# KiCad board q2v2.kicad_pcb (continued)
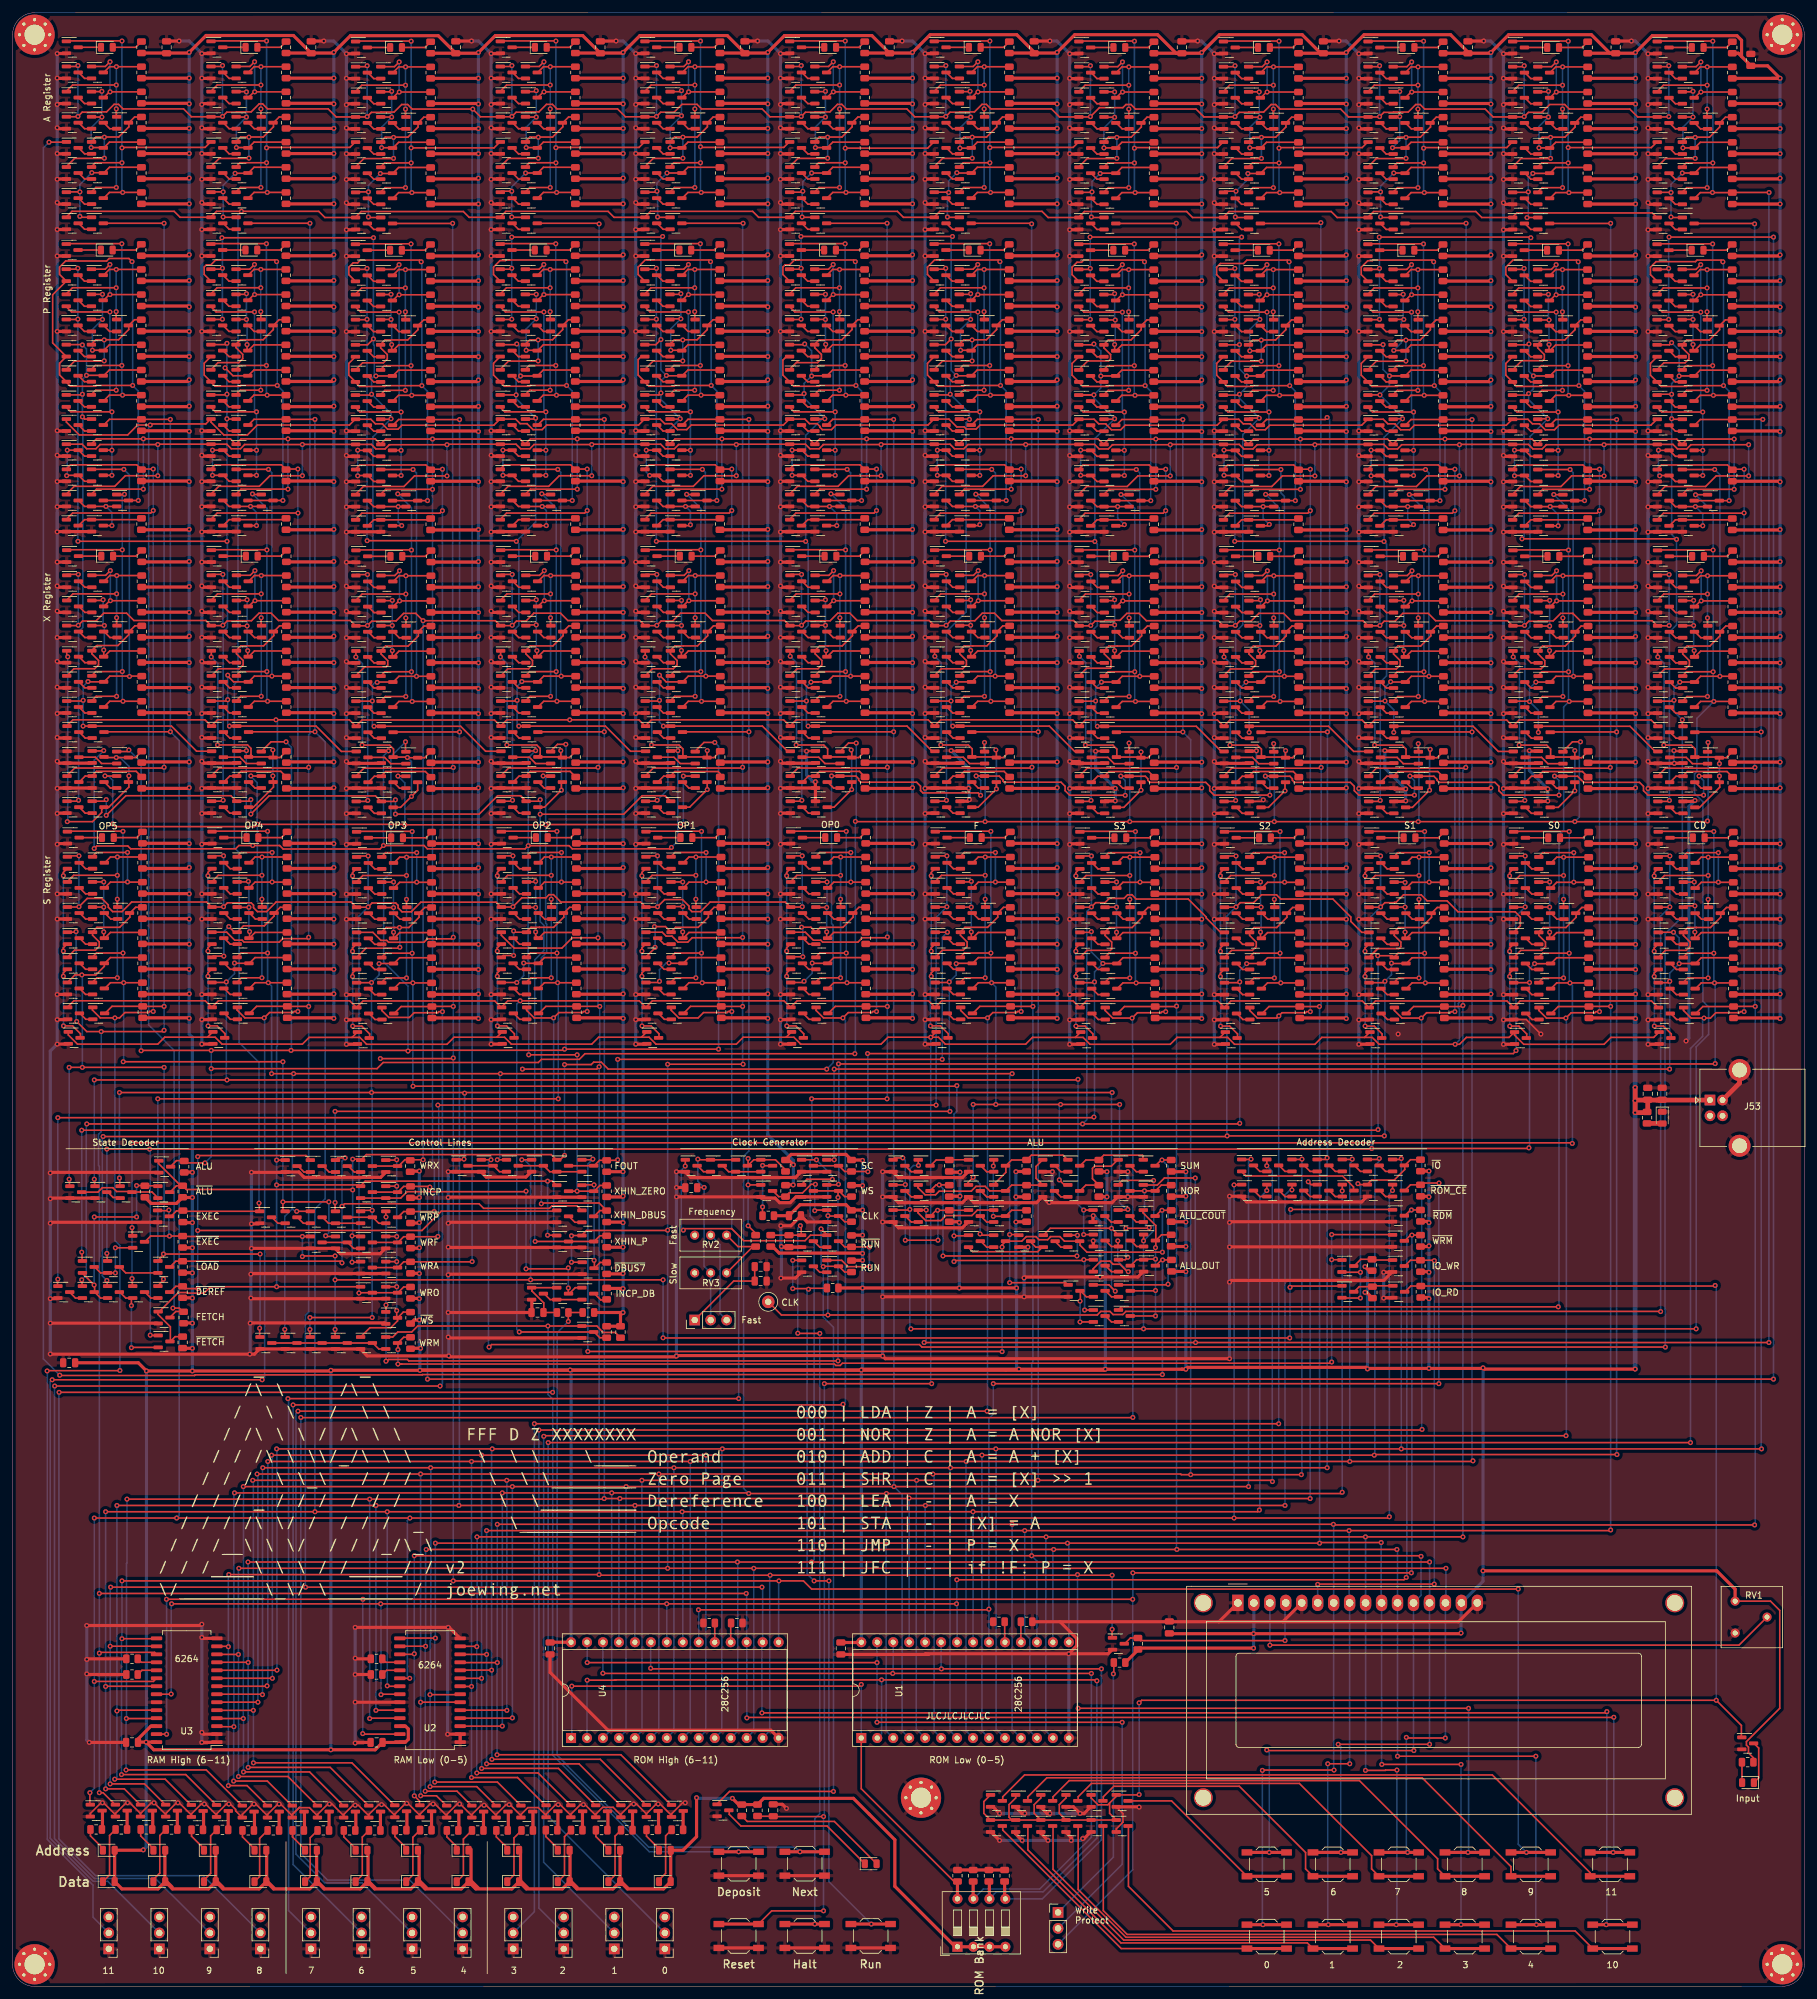
[diagram p0: board, top side]
## Routing (per net, layer and track width the routed paths; a pad name or vN(x,y) marks a point on that pad's centre or on a via; arc(x,y) is an arc through that point) (continued)
DEP: length 330
  Top w0.25: R478.2 93.41,103.21 92.5,104.13 v1(80.6,104.13) ; 8.7,155.78 9.75,156.83 30.65,156.83 31.7,155.78 32.75,156.83 53.62,156.83 54.7,155.75 55.75,156.8 76.7,156.8 77.72,155.77 78.78,156.82 99.68,156.82 100.72,155.77 101.78,156.82 122.7,156.82 123.75,155.77 124.8,156.82 145.7,156.82 146.75,155.77 147.8,156.82 168.68,156.82 169.75,155.75 170.8,156.8 191.7,156.8 192.75,155.75 193.8,156.8 214.7,156.8 215.75,155.75 216.8,156.8 237.7,156.8 238.75,155.75 239.8,156.8 260.7,156.8 261.75,155.75
  Bottom w0.25: v1(80.6,104.13) 80.2,104.53 80.2,156.29 v1(80.74,156.82)
F: length 144.7
  Top w0.25: v1(155.61,164.42) 151.4,164.42 150.71,163.73 ; v1(155.61,183.78) 155.58,183.81 146.79,183.81 ; 152.71,158.78 153.62,159.69 v1(155.72,159.69) R286.2 ; v1(153.9,119.73) 154.1,119.53 Q265.1 ; Q267.1 177.3,123.53 v1(177.4,123.63) ; v1(176.1,140.33) v1(166.7,140.33) v1(156.4,140.33) v1(152.8,140.33) 152.7,140.23 ; v1(152.8,128.73) 152,127.93 152,127.53 ; 167.3,127.53 v1(166.5,128.33)
  Bottom w0.25: v1(155.61,183.78) v1(155.61,164.42) 155.61,159.81 v1(155.72,159.69) 156.4,159.02 v1(156.4,140.33) ; v1(166.7,140.33) 166.5,140.13 v1(166.5,128.33) ; v1(176.1,140.33) 176.07,140.3 176.07,124.7 177.15,123.63 v1(177.4,123.63) ; v1(152.8,140.33) v1(152.8,128.73) 153.9,127.63 v1(153.9,119.73)
INCP_CLK: length 469.8
  Top w0.25: 261.53,265.19 263.38,265.19 v1(263.43,265.24) ; 57.3,126.38 61.3,126.38 62.21,127.29 R84.2 66.26,127.29 v1(66.38,127.18) ; v1(263.5,278.33) 280.3,278.33 ; v1(263.43,273.34) 263.28,273.19 261.53,273.19 ; v1(66,96.63) v1(280.1,96.63)
  Bottom w0.25: v1(263.43,265.24) v1(263.43,273.34) 263.43,278.26 v1(263.5,278.33) ; v1(280.1,278.33) v1(280.1,96.63) ; v1(66,96.63) 66,126.8 v1(66.38,127.18)
IO_RD: length 281.5
  Top w0.25: Q1150.1 171.56,29.99 172.65,28.9 174.22,28.9 175.56,30.24 Q1151.1 ; v1(179.2,30.53) 179.15,30.48 175.5,30.48 ; 171.5,26.48 175.5,26.48 ; Q1146.1 174.5,27.54 174.5,29.18 ; v1(270.82,111.53) 270.74,111.44 R94.2 222.41,111.44 221.5,110.53 ; Q1154.1 162.5,27.54 162.5,28.92 163.56,29.98 Q1148.1 ; v1(179.2,45.13) 179.6,45.53 v1(271,45.53) ; Q1153.1 166.5,27.54 166.5,28.92 167.56,29.98 Q1149.1 ; Q1156.1 154.5,27.54 154.5,29.41 Q1117.1 ; v1(271,45.53) 271,45.73 ; v1(271,45.53) 275,41.53 275,39.63 ; 158.95,26.48 158.5,26.93 158.5,28.92 159.56,29.98 Q1147.1 ; 155.5,26.48 171.05,26.48
  Bottom w0.25: v1(270.82,111.53) 271,111.35 v1(271,45.53) ; v1(179.2,30.53) v1(179.2,45.13)
IO_WR: length 78.1
  Top w0.25: v1(207.6,63.98) 207.64,64.02 v1(226.14,64.02) ; 221.45,114.63 222.36,115.54 R463.2 226.09,115.54 v1(226.15,115.48)
  Bottom w0.25: DS1.6 v1(207.6,63.98) ; v1(226.15,115.48) 226.15,64.03 v1(226.14,64.02) 226.13,64.03
NEXTF: length 98.2
  Top w0.25: v1(96.25,147.5) v1(147.87,147.5) ; v1(148.7,167.73) 148.69,167.73 Q698.1 ; 88.5,130.58 92.5,130.58 93.36,131.44 R90.2 96.16,131.44 v1(96.25,131.53)
  Bottom w0.25: v1(148.7,167.73) 147.87,166.9 v1(147.87,147.5) ; v1(96.25,131.53) v1(96.25,147.5)
OP2: length 157.7
  Top w0.25: 83.69,158.78 84.6,159.69 v1(86.7,159.69) R184.2 ; v1(86.59,183.78) 86.56,183.81 77.76,183.81 ; v1(86.59,164.42) 82.37,164.42 81.69,163.73 81.4,164.02 ; v1(24,112.53) 24,112.38 23.05,111.43 ; v1(23.1,141.23) v1(86.8,141.23)
  Bottom w0.25: v1(86.59,183.78) v1(86.59,164.42) 86.59,159.81 v1(86.7,159.69) 86.8,159.59 v1(86.8,141.23) ; v1(24,112.53) 23.1,113.43 v1(23.1,141.23)
OP3: length 209.6
  Top w0.25: 60.66,158.76 61.57,159.67 v1(63.67,159.67) R150.2 ; v1(63.56,183.76) 63.53,183.78 54.74,183.78 ; 58.66,163.71 59.35,164.39 v1(63.56,164.39) ; v1(149.75,115.33) 149.92,115.5 170.27,115.5 v1(170.4,115.63) Q276.1 ; v1(170.53,107.63) Q278.1 ; v1(149.75,119.43) 151.9,119.43 ; v1(150.2,143.33) 150.1,143.23 v1(63.7,143.23)
  Bottom w0.25: v1(63.56,183.76) v1(63.56,164.39) 63.56,159.78 v1(63.67,159.67) 63.67,143.25 v1(63.7,143.23) ; v1(149.75,115.33) v1(149.75,119.43) 149.75,138.8 150.2,139.25 v1(150.2,143.33) ; v1(170.53,107.63) 170.53,107.63 170.53,115.5 v1(170.4,115.63)
OP4: length 281.8
  Top w0.25: 37.66,158.79 38.57,159.7 v1(40.67,159.7) R63.2 ; v1(40.56,183.79) 40.53,183.81 31.74,183.81 ; 35.66,163.74 36.35,164.42 v1(40.56,164.42) ; v1(158.6,119.63) 159.7,119.63 ; v1(158.6,111.98) 167.5,111.98 167.85,111.63 ; 43.3,103.33 v1(43.3,104.53) ; v1(41.2,145.23) v1(44.7,145.23) v1(77.6,145.23) v1(159,145.23) ; Q211.1 v1(45.2,123.33) ; Q216.1 v1(77.1,131.53)
  Bottom w0.25: v1(40.56,183.79) v1(40.56,164.42) 40.56,159.81 v1(40.67,159.7) 41.2,159.17 v1(41.2,145.23) ; v1(44.7,145.23) 44.5,145.03 44.5,123.73 ; 44.5,123.73 43.3,122.53 v1(43.3,104.53) ; 44.5,123.73 44.9,123.33 v1(45.2,123.33) ; v1(77.1,131.53) 77.5,131.93 77.5,145.13 v1(77.6,145.23) ; v1(158.6,111.98) v1(158.6,119.63) 158.6,144.83 v1(159,145.23)
OP5: length 121.1
  Top w0.25: 14.66,158.79 15.57,159.7 v1(17.67,159.7) R30.2 ; v1(17.56,183.79) 17.53,183.81 8.74,183.81 ; 12.66,163.74 13.35,164.42 v1(17.56,164.42) ; v1(50.3,124.83) v1(43,124.83) 43,123.63 43.3,123.33 ; v1(17.6,147.13) v1(43,147.13) 42.9,147.23 ; v1(49.8,119.43) 49.9,119.33 Q206.1
  Bottom w0.25: v1(17.56,183.79) v1(17.56,164.42) 17.56,159.81 v1(17.67,159.7) 17.67,147.2 v1(17.6,147.13) ; v1(50.3,124.83) 50.3,119.93 v1(49.8,119.43) ; v1(43,147.13) v1(43,124.83)
RDA_DBUS: length 437.3
  Top w0.25: 25.05,122.38 26.06,123.39 27.05,123.39 ; v1(39.2,124.63) 39.25,124.58 39.25,123.33 27.11,123.33 ; 8.5,281.48 9.45,282.43 25.7,282.43 26.65,281.48 31.5,281.48 32.45,282.43 v1(36.4,282.43) 48.7,282.43 49.68,281.45 54.5,281.45 55.45,282.4 71.7,282.4 72.62,281.47 77.53,281.47 78.47,282.42 94.73,282.42 95.68,281.47 100.53,281.47 101.47,282.42 117.73,282.42 118.68,281.47 123.55,281.47 124.5,282.42 140.75,282.42 141.7,281.47 146.55,281.47 147.5,282.42 163.75,282.42 164.72,281.45 169.55,281.45 170.5,282.4 186.75,282.4 187.7,281.45 192.55,281.45 193.5,282.4 209.75,282.4 210.7,281.45 215.55,281.45 216.5,282.4 232.75,282.4 233.7,281.45 238.55,281.45 239.28,282.17 260.82,282.17 261.55,281.45
  Bottom w0.25: v1(39.2,124.63) 39.2,147.03 36.03,150.2 36.03,180.43 35.27,181.18 35.27,207.17 35.85,207.75 35.85,281.88 v1(36.4,282.43)
RDM: length 281.4
  Top w0.25: 211.35,111.43 203.4,111.43 v1(203.2,111.23) ; v1(203.3,123.63) 219.4,123.63 ; v1(103.47,112.43) v1(82.4,112.43) v1(51.3,112.43) ; Q217.1 v1(81,131.53) ; R73.2 21.96,119.39 21.05,118.48 ; 27.11,119.33 v1(46.1,119.33) 47.3,119.33 ; v1(46.1,116.13) 46.2,116.22 v1(51.3,116.22) ; v1(103.47,103.2) 103.5,103.18 128.75,103.18 v1(203.15,103.18) 203.1,103.13 ; v1(24.85,123.53) 24.75,123.43 23.05,123.43 ; 51.3,103.33 v1(51.3,104.53)
  Bottom w0.25: v1(203.3,123.63) 203.2,123.53 203.2,103.23 v1(203.15,103.18) ; v1(24.85,123.53) 24.85,119.5 v1(24.96,119.39) ; v1(82.4,112.43) 82.4,130.53 81.4,131.53 v1(81,131.53) ; v1(46.1,116.13) v1(46.1,119.33) ; v1(103.47,112.43) v1(103.47,103.2) ; v1(51.3,116.22) 51.3,116.22 v1(51.3,112.43) v1(51.3,104.53)
RDP_ABUS: length 416.6
  Top w0.25: 31.5,249.38 30.72,248.6 22.07,248.6 v1(21.9,248.43) 19.89,248.43 18.31,246.85 10.6,246.85 8.56,248.89 Q46.1 ; 261.55,249.35 260.6,248.4 245.99,248.4 245.26,247.67 243.8,247.67 242.89,248.58 242.89,248.62 241.76,248.62 241.04,249.35 238.55,249.35 237.6,248.4 222.99,248.4 222.26,247.67 220.8,247.67 219.89,248.58 219.89,248.62 218.76,248.62 218.04,249.35 215.55,249.35 214.6,248.4 199.99,248.4 199.26,247.67 197.8,247.67 196.89,248.58 196.89,248.62 195.76,248.62 195.04,249.35 192.55,249.35 191.6,248.4 176.99,248.4 176.26,247.67 174.8,247.67 173.89,248.58 173.89,248.62 172.76,248.62 172.04,249.35 169.55,249.35 168.62,248.42 153.9,248.42 153.27,247.8 151.7,247.8 151.37,248.13 150.19,248.13 148.95,249.37 Q659.1 ; v1(25.5,107.93) 26.51,107.93 27.05,107.39 25.96,107.39 25.05,106.48 ; 146.55,249.37 145.6,248.42 130.99,248.42 130.26,247.7 128.8,247.7 128.42,248.07 128.42,248.2 127.98,248.65 126.76,248.65 126.04,249.37 123.55,249.37 122.6,248.42 107.96,248.42 107.24,247.7 105.77,247.7 104.82,248.65 103.74,248.65 103.01,249.37 100.53,249.37 99.57,248.42 84.96,248.42 84.24,247.7 82.78,247.7 81.86,248.61 81.86,248.65 80.74,248.65 80.01,249.37 77.53,249.37 76.55,248.4 61.94,248.4 61.31,247.77 59.65,247.77 58.84,248.58 58.84,248.62 57.71,248.62 56.99,249.35 54.5,249.35 53.58,248.43 38.94,248.43 37.36,246.85 33.6,246.85 31.56,248.89 Q128.1
  Bottom w0.25: v1(25.5,107.93) 25.69,108.11 25.69,148.94 21.65,152.98 21.65,248.18 v1(21.9,248.43)
RDX_ABUS: length 450.3
  Top w0.25: v1(42,131.48) 43.4,131.48 ; 8.6,200.53 9.6,201.53 30.6,201.53 31.6,200.53 32.6,201.53 v1(41.9,201.53) 53.57,201.53 54.6,200.5 55.6,201.5 76.65,201.5 77.62,200.52 78.62,201.52 v1(88.62,201.52) 99.62,201.52 100.62,200.52 101.62,201.52 122.65,201.52 123.65,200.52 124.65,201.52 145.65,201.52 146.65,200.52 147.65,201.52 168.62,201.52 169.65,200.5 170.65,201.5 191.65,201.5 192.65,200.5 193.65,201.5 214.65,201.5 215.65,200.5 216.65,201.5 237.65,201.5 238.65,200.5 239.65,201.5 260.65,201.5 261.65,200.5 ; 86.5,127.48 85.85,128.13 56.1,128.13 55.3,127.33 ; v1(85.1,119.53) 86.45,119.53 ; 23.39,107.43 26.36,110.4 27.74,110.4 27.84,110.3 30.45,110.3 31.47,111.33 v1(42,111.33) 55.3,111.33 ; v1(42,127.53) 55.1,127.53 ; R70.2 25.86,103.39 25.1,102.63 25.1,104.95 23.11,106.93 23.11,107.43
  Bottom w0.25: 88.65,201.5 v1(88.62,201.52) ; v1(85.1,128.13) v1(85.1,119.53) ; v1(41.9,201.53) 42.13,201.3 42.13,149.65 42,149.53 v1(42,131.48) v1(42,127.53) v1(42,111.33)
S0: length 323.6
  Top w0.25: 238.79,183.78 247.58,183.78 v1(247.61,183.76) ; 244.71,158.76 245.62,159.67 v1(247.72,159.67) R422.2 ; 242.71,163.71 243.4,164.39 v1(247.61,164.39) ; 19.05,119.43 19.05,120.68 v1(19,120.73) ; 19.05,111.43 19.05,112.58 v1(19,112.63) ; v1(19,134.23) 248,134.23 ; 247.97,134.25 v1(248.1,134.13)
  Bottom w0.25: v1(247.61,183.76) v1(247.61,164.39) 247.61,159.78 v1(247.72,159.67) 248.12,159.27 248.12,134.15 v1(248.1,134.13) ; v1(19,112.63) v1(19,120.73) v1(19,134.23)
S1: length 302
  Top w0.25: R388.2 v1(224.72,159.67) 222.62,159.67 221.71,158.76 ; v1(217.15,164) 219.42,164 219.71,163.71 220.4,164.39 v1(224.61,164.39) ; 215.79,183.78 224.58,183.78 v1(224.61,183.76) ; v1(11,136.23) 217.1,136.23 v1(217.2,136.33) ; v1(11,116.83) 11.05,116.78 11.05,115.43
  Bottom w0.25: v1(224.72,159.67) 224.61,159.78 v1(224.61,164.39) v1(224.61,183.76) ; v1(11,116.83) v1(11,136.23) ; v1(217.2,136.33) 217.2,163.95 v1(217.15,164)
SC: length 166.4
  Top w0.25: v1(240.61,171.76) 240.56,171.71 238.71,171.71 ; v1(240.61,179.86) 238.86,179.86 ; v1(136,148.43) 136.01,148.42 238.71,148.42 239.15,148.86 ; v1(136.05,129.63) 136.01,129.66 R92.2 132.36,129.66 131.45,130.58 127.45,130.58
  Bottom w0.25: v1(239.15,148.9) 239.15,167.34 239.08,167.41 239.08,170.23 v1(240.61,171.76) v1(240.61,179.86) ; v1(136.05,129.63) 136.05,148.38 v1(136,148.43)
WRA: length 593.4
  Top w0.25: v1(263.45,297.5) 263.4,297.45 258.5,297.45 257.25,298.7 247.62,298.7 246.89,299.43 244.51,299.43 243.25,298.17 241.12,298.17 v1(240.45,297.5) 240.4,297.45 235.5,297.45 234.25,298.7 224.62,298.7 223.9,299.42 223.2,299.42 222,298.22 219.66,298.22 219.61,298.17 218.12,298.17 v1(217.45,297.5) 217.4,297.45 212.5,297.45 211.25,298.7 201.62,298.7 200.9,299.42 200.2,299.42 199,298.22 196.66,298.22 196.61,298.17 195.12,298.17 v1(194.45,297.5) 194.4,297.45 189.5,297.45 188.25,298.7 178.62,298.7 177.9,299.42 177.1,299.42 176.6,298.92 172.87,298.92 v1(171.45,297.5) 171.4,297.45 166.53,297.45 165.25,298.72 155.62,298.72 154.9,299.45 154.2,299.45 153,298.25 150.66,298.25 150.61,298.2 149.12,298.2 v1(148.45,297.52) 148.4,297.47 143.5,297.47 142.25,298.72 132.62,298.72 131.9,299.45 131.2,299.45 130,298.25 127.66,298.25 127.61,298.2 126.12,298.2 v1(125.45,297.52) 125.4,297.47 120.47,297.47 119.22,298.72 109.6,298.72 108.87,299.45 106.48,299.45 105.23,298.2 103.1,298.2 v1(102.43,297.52) 102.37,297.47 97.47,297.47 96.22,298.72 86.6,298.72 85.87,299.45 84.92,299.45 83.72,298.25 81.64,298.25 81.59,298.2 80.1,298.2 v1(79.43,297.52) 79.37,297.47 74.42,297.47 v1(73.2,298.7) 63.57,298.7 62.85,299.42 61.89,299.42 60.69,298.22 58.61,298.22 58.56,298.17 57.07,298.17 v1(56.4,297.5) 56.35,297.45 51.48,297.45 50.2,298.73 40.57,298.73 39.77,299.53 39.23,299.53 37.95,298.25 35.61,298.25 35.56,298.2 34.07,298.2 v1(33.4,297.53) 33.35,297.48 28.45,297.48 27.2,298.73 17.57,298.73 16.85,299.45 16.15,299.45 14.95,298.25 12.61,298.25 12.56,298.2 11.07,298.2 v1(10.4,297.53) 10.35,297.48 8.5,297.48 ; v1(263.45,305.6) 263.3,305.45 261.55,305.45 ; v1(10.4,305.63) 10.25,305.48 8.5,305.48 ; 238.55,305.45 240.3,305.45 v1(240.45,305.6) ; v1(148.45,305.62) 148.3,305.47 146.55,305.47 ; v1(171.45,305.6) 171.3,305.45 169.55,305.45 ; 54.5,305.45 56.25,305.45 v1(56.4,305.6) ; 77.53,305.47 79.28,305.47 v1(79.43,305.62) ; v1(217.45,305.6) 217.3,305.45 215.55,305.45 ; 57.3,114.38 61.3,114.38 62.21,115.29 R83.2 73.06,115.29 v1(73.1,115.33) ; 31.5,305.48 33.25,305.48 v1(33.4,305.63) ; v1(102.43,305.62) 102.28,305.47 100.53,305.47 ; v1(194.45,305.6) 194.3,305.45 192.55,305.45 ; 123.55,305.47 125.3,305.47 v1(125.45,305.62)
  Bottom w0.25: v1(33.4,297.53) v1(33.4,305.63) ; v1(102.43,297.52) v1(102.43,305.62) ; v1(79.43,297.52) v1(79.43,305.62) ; v1(56.4,297.5) v1(56.4,305.6) ; v1(263.45,297.5) v1(263.45,305.6) ; v1(240.45,297.5) v1(240.45,305.6) ; v1(148.45,297.52) v1(148.45,305.62) ; v1(125.45,297.52) v1(125.45,305.62) ; v1(171.45,297.5) v1(171.45,305.6) ; v1(217.45,297.5) v1(217.45,305.6) ; v1(194.45,297.5) v1(194.45,305.6) ; v1(73.2,298.7) 73.1,298.6 v1(73.1,115.33) ; v1(10.4,297.53) v1(10.4,305.63)
WRF: length 155
  Top w0.25: v1(148.61,171.78) 148.56,171.73 146.71,171.73 ; v1(148.61,179.88) 146.86,179.88 ; 57.3,118.38 61.3,118.38 62.21,119.29 R87.2 67.61,119.29 v1(67.65,119.33) ; v1(67.65,140.23) v1(146.9,140.23)
  Bottom w0.25: v1(148.61,179.88) v1(148.61,171.78) 146.9,170.07 v1(146.9,140.23) ; v1(67.65,119.33) 67.79,119.46 67.79,140.09 v1(67.65,140.23)
WRM: length 186.3
  Top w0.25: v1(61.3,99.03) 61.9,99.03 ; 61.9,99.03 61.57,99.03 ; 61.9,99.03 130.73,99.03 130.95,98.8 131.65,98.8 132,99.15 209.63,99.15 v1(209.82,99.35) ; v1(61.3,101.33) 61.3,102.38 62.21,103.29 R91.2 ; v1(209.82,115.63) 211.35,115.63 ; v1(209.82,119.63) 219.4,119.63
  Bottom w0.25: v1(61.3,101.33) v1(61.3,99.03) ; v1(209.82,99.35) v1(209.82,115.63) v1(209.82,119.63)
WRO: length 257.8
  Top w0.25: 8.66,171.74 10.51,171.74 v1(10.56,171.79) 11.88,173.11 14.19,173.11 15.23,172.07 15.23,171.7 15.92,171.01 17.41,171.01 18.94,172.54 30.86,172.54 31.66,171.74 33.51,171.74 v1(33.56,171.79) 34.19,172.41 37.95,172.41 38.33,172.03 38.33,171.64 38.95,171.01 40.41,171.01 41.93,172.54 ; v1(10.56,179.89) 8.81,179.89 ; v1(33.56,179.89) 31.81,179.89 ; v1(102.59,179.88) 100.84,179.88 ; v1(79.59,179.88) 77.84,179.88 ; v1(56.56,179.86) 54.81,179.86 ; v1(125.61,179.88) 123.86,179.88 ; 125.61,171.92 v1(125.61,171.78) 125.56,171.73 123.71,171.73 122.91,172.53 110.96,172.53 109.43,171.01 108.06,171.01 107.6,171.47 107.6,171.89 106.56,172.93 103.73,172.93 v1(102.59,171.78) 102.53,171.73 100.69,171.73 99.88,172.53 87.21,172.53 86.03,173.71 85.34,173.71 84.84,173.21 81.01,173.21 v1(79.59,171.78) 79.53,171.73 77.69,171.73 76.91,172.51 64.94,172.51 63.45,171.02 63.45,170.98 61.95,170.98 61.33,171.61 61.33,172 60.95,172.38 57.19,172.38 v1(56.56,171.76) 56.51,171.71 54.66,171.71 53.83,172.54 41.9,172.54 ; v1(55.1,110.33) 55.15,110.38 Q185.3 ; R79.2 62.21,111.29 61.3,110.38 57.3,110.38
  Bottom w0.25: v1(10.56,171.79) v1(10.56,179.89) ; v1(33.56,171.79) v1(33.56,179.89) ; v1(102.59,171.78) v1(102.59,179.88) ; v1(79.59,171.78) v1(79.59,179.88) ; v1(56.56,179.86) v1(56.56,171.76) 55.03,170.23 55.03,167.41 55.1,167.34 v1(55.1,110.33) ; v1(125.61,171.78) v1(125.61,179.88)
WRX: length 485.4
  Top w0.25: 8.55,216.52 10.4,216.52 v1(10.45,216.57) 11.12,217.24 13.25,217.24 14.5,218.49 18.13,218.49 19.3,217.33 30.74,217.33 31.55,216.52 33.4,216.52 v1(33.45,216.57) 34.12,217.24 35.62,217.24 35.67,217.29 38,217.29 39.2,218.49 41.13,218.49 42.3,217.33 53.71,217.33 54.55,216.49 56.4,216.49 v1(56.45,216.54) 57.12,217.21 58.62,217.21 58.67,217.26 61,217.26 62.2,218.46 64.13,218.46 v1(65.3,217.3) 76.79,217.3 77.57,216.51 79.42,216.51 v1(79.47,216.56) 80.15,217.24 81.67,217.24 82.89,218.45 82.89,218.49 87.16,218.49 88.32,217.32 99.76,217.32 100.57,216.51 102.42,216.51 v1(102.47,216.56) 103.15,217.24 104.99,217.24 106.24,218.49 110.16,218.49 111.32,217.32 122.79,217.32 123.6,216.51 125.45,216.51 v1(125.5,216.56) 126.17,217.24 127.67,217.24 127.72,217.29 130.05,217.29 131.25,218.49 133.18,218.49 134.35,217.32 145.79,217.32 146.6,216.51 148.45,216.51 v1(148.5,216.56) 149.17,217.24 150.67,217.24 150.72,217.29 153.05,217.29 154.25,218.49 156.18,218.49 157.35,217.32 168.76,217.32 169.6,216.49 171.45,216.49 v1(171.5,216.54) 172.17,217.21 173.67,217.21 173.81,217.35 176.14,217.35 177.25,218.46 179.18,218.46 180.35,217.3 191.79,217.3 192.6,216.49 194.45,216.49 v1(194.5,216.54) 195.17,217.21 196.99,217.21 198.24,218.46 202.18,218.46 203.35,217.3 214.79,217.3 215.6,216.49 217.45,216.49 v1(217.5,216.54) 218.17,217.21 219.89,217.21 221.14,218.46 225.18,218.46 226.35,217.3 237.79,217.3 238.6,216.49 240.45,216.49 v1(240.5,216.54) 241.17,217.21 242.67,217.21 242.72,217.26 245.05,217.26 246.25,218.46 248.18,218.46 ; v1(10.45,224.67) 8.7,224.67 ; v1(33.45,224.67) 31.7,224.67 ; v1(102.47,224.66) 100.72,224.66 ; v1(79.47,224.66) 77.72,224.66 ; v1(56.45,224.64) 54.7,224.64 ; v1(263.5,224.64) 261.75,224.64 ; v1(148.5,224.66) 146.75,224.66 ; v1(125.5,224.66) 123.75,224.66 ; 248.18,218.46 249.35,217.3 260.79,217.3 261.6,216.49 263.45,216.49 v1(263.5,216.54) ; 248.18,218.46 248.26,218.39 ; v1(240.5,224.64) 238.75,224.64 ; v1(194.5,224.64) 192.75,224.64 ; v1(171.5,224.64) 169.75,224.64 ; v1(217.5,224.64) 215.75,224.64 ; 57.4,130.53 61.4,130.53 62.41,131.54 63.3,131.54 ; v1(65.3,131.53) 63.34,131.53
  Bottom w0.25: v1(10.45,216.57) v1(10.45,224.67) ; v1(33.45,216.57) v1(33.45,224.67) ; v1(102.47,216.56) v1(102.47,224.66) ; v1(79.47,216.56) v1(79.47,224.66) ; v1(56.45,216.54) v1(56.45,224.64) ; v1(171.5,216.54) v1(171.5,224.64) ; v1(194.5,216.54) v1(194.5,224.64) ; v1(240.5,216.54) v1(240.5,224.64) ; v1(125.5,216.56) v1(125.5,224.66) ; v1(263.5,216.54) v1(263.5,224.64) ; v1(148.5,216.56) v1(148.5,224.66) ; v1(217.5,216.54) v1(217.5,224.64) ; v1(65.3,131.53) v1(65.3,217.3)
WS: length 130.5
  Top w0.25: 131.25,99.48 v1(131.3,99.53) 63.02,99.53 62.8,99.75 59.82,99.75 59.55,99.48 ; R98.2 132.36,125.66 131.45,126.58 127.45,126.58 ; v1(59.4,99.48) 59.65,99.48 ; v1(59.4,122.43) 59.36,122.46 Q203.1 ; v1(131.3,125.53) 131.3,126.49 ; v1(59.4,108.43) 59.4,107.36
  Bottom w0.25: v1(59.4,99.48) v1(59.4,108.43) v1(59.4,122.43) ; v1(131.3,99.53) v1(131.3,125.53)
X0: length 346.6
  Top w0.25: v1(270.5,228.54) 270.47,228.56 261.68,228.56 ; v1(270.5,209.17) 266.29,209.17 265.6,208.49 ; R440.2 v1(270.61,204.45) 268.51,204.45 267.6,203.54 ; Q251.1 144.06,130.66 v1(144.1,130.63) ; v1(142.9,104.63) v1(179.9,104.63) v1(267.8,104.63) ; Q247.1 142.63,123.53 v1(142.72,123.62) ; v1(267.7,237.33) 267.72,237.35 Q1078.1 ; Q270.1 179.91,118.64 v1(179.9,118.63) ; v1(181.5,128.23) 181.47,128.25 176.53,128.25 175.8,127.53
  Bottom w0.25: v1(179.9,104.63) v1(179.9,118.63) 181.53,120.25 181.53,127.3 ; v1(142.72,123.62) 142.72,104.8 v1(142.9,104.63) ; v1(142.72,123.62) 142.72,130.05 143.3,130.63 v1(144.1,130.63) ; v1(142.72,123.62) 142.8,123.7 ; v1(181.5,128.23) 181.5,127.33 181.53,127.3 ; 181.53,127.3 181.53,127.6 ; v1(267.8,104.63) 267.8,149.49 269.78,151.47 269.78,155.85 268.87,156.75 268.87,188.5 267.55,189.83 267.55,192.92 267.92,193.29 267.92,201.76 v1(270.61,204.45) 270.5,204.56 v1(270.5,209.17) v1(270.5,228.54) 270.5,234.53 v1(267.7,237.33)
X1: length 223
  Top w0.25: R406.2 v1(247.61,204.45) 245.51,204.45 244.6,203.54 ; 242.6,208.49 243.29,209.17 v1(247.5,209.17) ; v1(247.5,228.54) 247.47,228.56 238.68,228.56 ; 175.85,107.63 176.35,108.13 v1(245.87,108.13) ; v1(245.15,237.38) 245.18,237.35 246.55,237.35
  Bottom w0.25: v1(245.87,108.13) 245.99,108.24 245.99,183.2 246.72,183.94 246.72,203.56 v1(247.61,204.45) 247.5,204.56 v1(247.5,209.17) v1(247.5,228.54) 247.5,235.03 v1(245.15,237.38)
XHIN_DBUS: length 225.8
  Top w0.25: Q103.1 37.92,192.58 v1(37.9,192.6) ; 92.5,122.53 93.41,123.44 R81.2 93.29,124.65 84.23,124.65 v1(84.1,124.53) ; 84.96,184.87 v1(106.76,184.87) ; 85.53,192.57 84.42,192.57 v1(84.4,192.59) ; v1(61.3,192.57) 62.48,192.57 ; v1(15.94,184.96) 16.36,184.54 38.51,184.54 v1(38.9,184.93) 38.94,184.89 62.34,184.89 v1(62.4,184.83) v1(84.8,184.83) ; v1(106.7,192.57) Q468.1 ; v1(14.7,192.6) 14.72,192.58 Q21.1
  Bottom w0.25: 39,172.57 38.94,172.64 38.94,184.96 v1(38.9,184.93) 38.9,191.53 37.9,192.53 v1(37.9,192.6) ; v1(84.4,192.59) 84.8,192.19 v1(84.8,184.83) 84.8,169.17 84.96,169.01 84.96,164.52 84.12,163.68 84.12,126.45 84.1,126.43 v1(84.1,124.53) ; v1(106.76,184.87) 106.7,184.93 v1(106.7,192.57) 106.77,192.57 ; v1(14.7,192.6) 15.23,192.6 15.94,191.89 v1(15.94,184.96) ; v1(61.3,192.57) 62.4,191.47 v1(62.4,184.83)
XHIN_P: length 191.4
  Top w0.25: 80.75,189.45 81.63,188.57 83.68,188.57 v1(83.93,188.82) ; R82.2 93.41,119.44 92.5,118.53 v1(83.12,118.53) ; v1(14.9,186.33) 18.03,189.45 34.72,189.45 35.6,188.58 37.65,188.58 v1(37.9,188.83) ; v1(60.9,188.8) 60.65,188.55 58.6,188.55 57.72,189.42 40.8,189.42 v1(37.9,186.53) ; v1(60.9,186.53) 74.23,186.53 77.15,189.45 80.81,189.45 Q387.1 ; 12.6,188.58 14.65,188.58 v1(14.9,188.83) ; 104.63,188.57 103.75,189.45 ; v1(83.93,186.5) 97.21,186.5 100.15,189.45 103.81,189.45 Q470.1
  Bottom w0.25: v1(60.9,186.53) v1(60.9,188.8) ; v1(83.93,188.82) v1(83.93,186.5) 83.93,169.41 84.51,168.83 84.51,164.79 83.06,163.34 83.06,118.59 v1(83.12,118.53) ; v1(37.9,186.53) v1(37.9,188.83) ; v1(14.9,186.33) v1(14.9,188.83)
XHIN_ZERO: length 248.5
  Top w0.25: v1(105.82,196.62) 104.68,196.62 ; v1(59.8,196.6) 58.65,196.6 ; v1(14.5,196.63) 14.45,196.58 Q25.1 ; Q389.1 83.15,196.57 v1(83.2,196.63) ; Q107.1 37.15,196.58 v1(37.2,196.63) ; v1(104.8,181.23) 104.57,181 89.03,181 88.53,181.5 v1(82.03,181.5) 81.52,181 65.98,181 65.45,181.53 v1(59,181.53) 58.44,180.97 43.04,180.97 42.48,181.53 v1(38.2,181.53) 36,181.53 35.47,181 18.78,181 18.33,181.45 13.39,181.45 v1(12.99,181.05) ; R80.2 93.41,127.44 92.5,126.53 v1(89.8,126.53) 88.5,126.53 ; v1(82.1,148.23) v1(89.8,148.23)
  Bottom w0.25: v1(89.8,126.53) v1(89.8,148.23) ; v1(38.2,181.53) 37.17,182.55 37.17,196.6 v1(37.2,196.63) ; v1(105.82,196.62) 105.82,182.25 v1(104.8,181.23) ; v1(59,181.53) 59,195.8 v1(59.8,196.6) ; v1(14.5,196.63) 12.99,195.11 v1(12.99,181.05) 13,181.07 ; v1(82.1,148.23) 82.1,163.1 82,163.2 82,181.48 v1(82.03,181.5) 82.03,195.45 v1(83.2,196.63)
XIN_SHIFT: length 757.2
  Top w0.25: Q554.1 132.97,197.83 v1(134.2,197.83) ; 246.55,196.45 248.13,198.03 v1(249.4,198.03) ; v1(20.45,148.88) 20.5,148.93 v1(31.6,148.93) 62.8,148.93 v1(62.9,148.83) 63.03,148.95 87.63,148.95 v1(87.8,149.13) v1(112.3,149.13) ; v1(177.6,197.83) 177.55,197.78 177.55,196.45 ; v1(134.06,185.37) 134.1,185.33 v1(154.7,185.33) v1(177.7,185.33) v1(200.7,185.33) v1(223.6,185.33) v1(248.5,185.33) 269.5,185.33 v1(269.6,185.43) ; v1(31.6,146.03) 57.97,146.03 58.95,147 83.63,147 84.13,147.5 90.15,147.5 91.05,148.4 v1(133.97,148.4) ; Q106.1 41.11,198.03 v1(43.5,198.03) ; v1(62.5,198.03) 62.5,196.45 ; 154.55,196.47 154.55,197.88 v1(154.6,197.93) ; 16.5,196.48 18.25,196.48 v1(18.5,196.73) ; 200.55,196.45 200.55,197.68 v1(200.6,197.73) ; 85.53,196.47 86.68,197.63 v1(88,197.63) ; Q969.1 247.06,196.9 247.06,196.96 ; v1(223.6,197.73) 223.6,196.5 ; 27.41,131.03 v1(30.6,131.03) ; v1(269.7,197.93) 269.7,196.6 ; 108.53,196.47 109.98,197.93 v1(111.7,197.93) ; 25.15,130.48 26.06,131.39 27.05,131.39
  Bottom w0.25: v1(31.6,148.93) 31.6,132.03 v1(30.6,131.03) ; v1(223.6,197.73) 223.71,197.62 223.71,185.44 v1(223.6,185.33) ; v1(88,197.63) 88.04,197.59 88.04,149.36 v1(87.8,149.13) ; v1(20.45,148.88) 20.45,194.78 v1(18.5,196.73) ; v1(133.97,148.4) 134.06,148.49 v1(134.06,185.37) 134.2,185.51 v1(134.2,197.83) ; v1(62.9,148.83) 62.9,159.14 59.03,163.02 59.03,176.09 60.17,177.24 60.17,195.7 v1(62.5,198.03) ; v1(154.6,197.93) 154.71,197.82 154.71,185.34 v1(154.7,185.33) ; v1(44.3,148.93) 44.35,148.98 44.35,197.18 v1(43.5,198.03) ; v1(269.7,197.93) 269.71,197.92 269.71,185.54 v1(269.6,185.43) ; v1(177.6,197.83) 177.71,197.72 177.71,185.34 v1(177.7,185.33) ; v1(200.6,197.73) 200.71,197.62 200.71,185.34 v1(200.7,185.33) ; v1(248.5,185.33) 249.23,186.05 249.23,197.85 v1(249.4,198.03) ; v1(112.3,149.13) 112.3,197.33 v1(111.7,197.93)
XLIN_DBUS: length 370.1
  Top w0.25: v1(222.27,192.57) 223.53,192.57 ; v1(268.27,192.57) 269.53,192.57 ; v1(245.27,192.57) 246.53,192.57 ; v1(176.27,192.57) 177.53,192.57 ; v1(130.27,192.59) 131.53,192.59 ; v1(199.27,192.57) 200.53,192.57 ; v1(153.27,192.59) 154.53,192.59 ; v1(199.99,189.54) 191.13,189.54 190.42,190.25 190.42,190.94 189.8,191.57 180.91,191.57 180.57,191.91 180.57,192.15 180.18,192.55 177.55,192.55 ; v1(54,115.23) 55.2,115.23 ; 223.55,192.55 226.08,192.55 226.57,192.05 226.57,191.91 226.91,191.57 235.8,191.57 236.42,190.94 236.42,190.25 237.13,189.54 v1(245.99,189.54) ; 55.4,131.48 56.28,132.35 85.67,132.35 86.5,131.53 ; v1(153.99,189.51) 153.6,189.9 144.8,189.9 144.42,190.27 144.42,190.97 143.8,191.6 134.91,191.6 134.57,191.93 134.57,192.15 134.16,192.57 131.55,192.57 ; 23.21,131.43 23.21,130.93 26.76,127.39 ; 25.05,126.38 26.06,127.39 R74.2 27.64,126.8 54.03,126.8 v1(54.1,126.73) ; 246.55,192.55 248.95,192.55 249.55,191.94 249.55,191.93 249.91,191.57 258.8,191.57 259.42,190.94 259.42,190.25 260.13,189.54 v1(268.99,189.54) ; v1(54,119.43) 55.2,119.43 ; 200.55,192.55 203.18,192.55 203.57,192.15 203.57,191.91 203.91,191.57 212.8,191.57 213.42,190.94 213.42,190.25 214.13,189.54 v1(222.99,189.54) ; v1(176.99,189.51) 176.97,189.52 168.15,189.52 167.42,190.25 167.42,190.94 166.77,191.6 157.73,191.6 157.55,191.78 157.55,191.97 156.95,192.57 Q634.1 ; 87.1,131.53 v1(87.8,132.23) ; v1(129.5,145.95) 94.75,145.95 93.65,147.05 92.43,147.05 92.05,146.68 v1(87.8,146.68) ; v1(54.1,131.63) 55.25,131.63